# Altium PCB Arduino_uno_PCB.PcbDoc (part 2 of 2)
Units mm, origin at the board's own origin, x right, y up, seen from the top; angles counter-clockwise.
Board outline 68.58 x 53.34 mm, 2 copper layers (Top Layer, Bottom Layer), stack 1.671 mm thick; 106 components, 71 nets, 323 pads, 80 vias.
Unrouted connection lines stored in the file: 2.
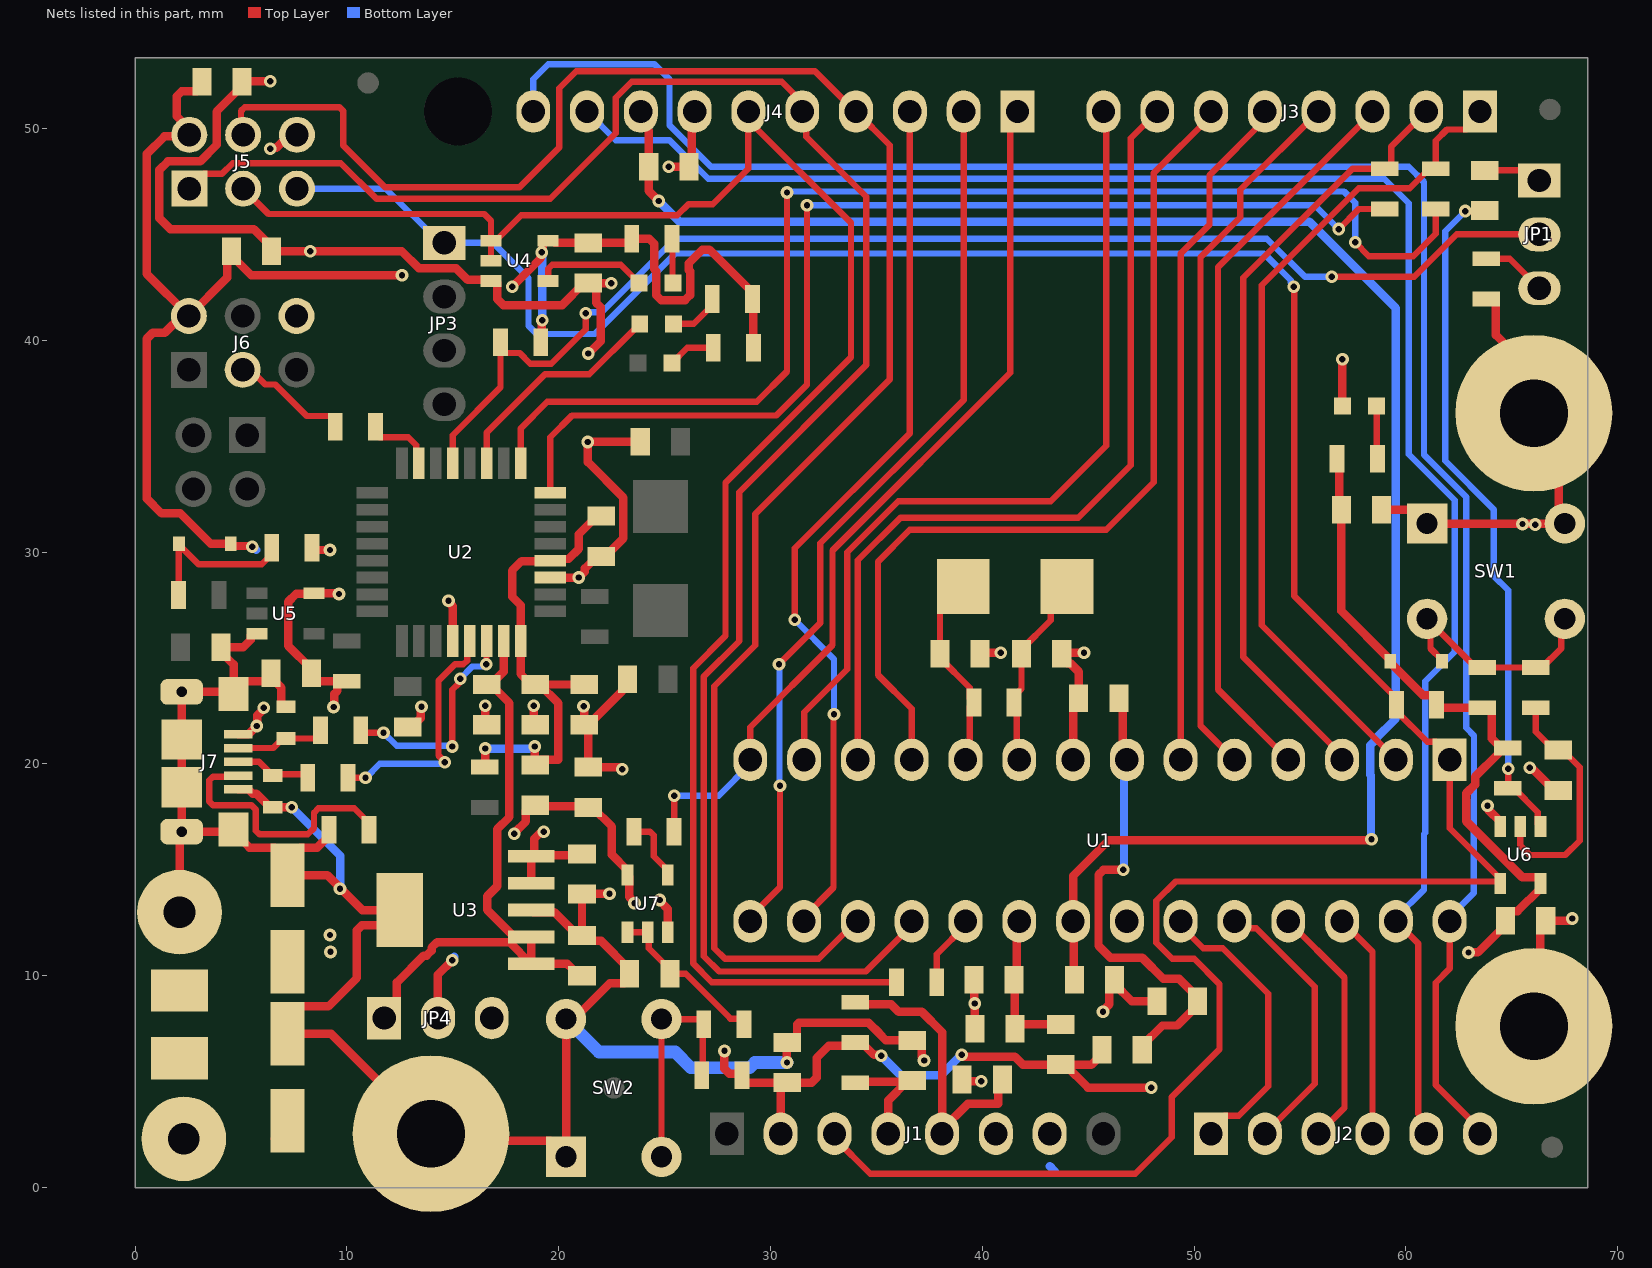
[diagram p2: the nets of this part, all layers, seen from the top]

## Via types
v1: diameter 0.6, hole 0.3, Top Layer to Bottom Layer, tented both sides, 80 vias

## Nets (pads, with @x,y where several pads share a name; then routed paths per layer and width w, separated by ;. In a path a pad name is that pad's centre, name@x,y a point inside that pad or via, vN(x,y) a via of type N, cw(c..) or ccw(c..) an arc to the next point about the centre after c; other vN are vias at no path point) (continued)
16U2_RXD: R11.1 U2.8 | length 52.5
  Top Layer w0.3: U2.8@19.55,32.85 U2.8@19.6,32.8 19.6,35.425 20.625,36.45 30.275,36.45 31.725,37.9 v1(31.725,46.375) ; v1(56.825,45.25) 57.775,46.2 R11.1@59,46.2
  Bottom Layer w0.3: v1(31.725,46.375) 55.7,46.375 v1(56.825,45.25)
16U2_SCLK: J6.3 R5.2 | length 5.7
  Top Layer w0.3: J6.3@5.08,38.608 5.459,38.608 6.151,37.916 6.615,37.916 8.106,36.425 9.25,36.425 9.45,36.225 R5.2@9.45,35.925
16U2_SCLK_R: R5.1 U2.15 | length 3.4
  Top Layer w0.3: R5.1@11.35,35.925 11.35,35.625 11.55,35.425 12.895,35.425 13.275,35.045 13.275,34.325 U2.15@13.4,34.2
16U2_TX_LED: D3.1 U2.11 | length 10.8
  Top Layer w0.3: U2.11@16.6,34.2 16.6,35.65 19.35,38.4 21.45,38.4 23.575,40.525 D3.1@23.825,40.775
16U2_TXD: R10.1 U2.9 | length 58.4
  Top Layer w0.3: U2.9@18.2,34.2 18.2,35.836 19.461,37.097 29.346,37.097 30.775,38.526 v1(30.775,46.975) ; v1(57.6,44.625) 58.25,43.975 60.35,43.975 61.4,45.025 R10.1@61.4,46.2
  Bottom Layer w0.3: v1(30.775,46.975) 30.825,47.025 57.075,47.025 57.6,46.5 v1(57.6,44.625)
16U2PROG_328P_RESETn: JP1.2 R1.1 U2.13 | length 60.1
  Top Layer w0.3: U2.13@15,34.2 15,35.525 17.25,37.775 17.25,39.6 17.45,39.4 18.155,39.4 18.655,38.9 19.645,38.9 21.27,40.525 21.27,41.27 v1(21.275,41.275) ; v1(56.5,43) 60.4,43 62.4,45 JP1.2@66.3,45
  Bottom Layer w0.3: v1(21.275,41.275) 21.331,41.331 22.025,41.331 25.494,44.8 53.431,44.8 55.231,43 v1(56.5,43)
328P_16MHZ_XTAL1: C27.2 R16.1 U1.9 Y1.1 | length 9.3
  Top Layer w0.3: U1.9@41.745,20.193 41.622,20.315 41.622,22.778 R16.1@41.5,22.9 41.5,23.2 41.85,23.55 C27.2@41.85,25.2 41.85,25.4 43.225,26.775 43.225,27.6 Y1.1@44,28.375
328P_16MHZ_XTAL2: C25.2 R16.2 U1.10 Y1.2 | length 9.5
  Top Layer w0.3: Y1.2@39.1,28.375 38,27.275 C25.2@38,25.2 38,25 39.4,23.6 39.4,23.1 R16.2@39.6,22.9 39.402,22.702 39.402,20.391 U1.10@39.205,20.193
328P_AUTO_RESETn: C11.1 R18.1 U6.1 | length 32.4
  Top Layer w0.3: v1(62.8,46.1) 63.7,46.1 C11.1@63.725,46.125 ; v1(64.825,19.775) 64.825,18.875 R18.1@64.8,18.85 65.1,18.85 66.225,17.725 66.225,17.175 U6.1@66.35,17.05
  Bottom Layer w0.3: v1(62.8,46.1) 61.85,45.15 61.85,34.309 64.15,32.009 64.15,28.875 64.825,28.2 v1(64.825,19.775)
328P_BUFFER_RESETn: C32.2 R24.2 U6.2 | length 11.5
  Top Layer w0.3: U6.2@65.4,17.05 65.4,16.15 65.85,15.7 67.525,15.7 68.2,16.375 68.2,19.85 67.4,20.65 C32.2@67.2,20.65 67,20.65 66.125,21.525 R24.2@66.125,22.65
328P_RESETn: J1.3 J5.5 JP3.1 R14.1 U1.1 U6.4 | length 134.1
  Top Layer w0.3: J1.3@33.02,2.54 33.02,2.34 34.71,0.65 47.225,0.65 48.95,2.375 48.95,4.275 51.2,6.525 51.2,9.6 49.999,10.801 48.974,10.801 48.215,11.56 48.215,13.54 49.125,14.45 64.35,14.45 U6.4@64.45,14.35 64.45,14.575 62.065,16.96 U1.1@62.065,20.193 62.065,20.393 61.415,21.043 61.007,21.043 59.55,22.5 R14.1@59.55,22.8 59.55,23.1 54.725,27.925 54.725,42.5 v1(54.7,42.525)
  Bottom Layer w0.3: J5.5@7.64,47.16 11.84,47.16 14.4,44.6 JP3.1@14.6,44.6 16.9,44.6 18.575,42.925 18.575,40.681 18.956,40.3 21.701,40.3 25.501,44.1 53.3,44.1 54.557,42.843 54.557,42.749 54.7,42.606 v1(54.7,42.525)
+3V3: C13.1 C16.2 J1.4 JP4.3 R28.2 U3.4 U3.5 | length 10.7
  Top Layer w0.4: U3.4@18.7,14.37 U3.5@18.7,15.64 18.8,15.74 18.85,15.74 18.85,16.473 19.138,16.762 19.262,16.762 v1(19.3,16.8) ; U3.5@18.805,15.695 21.045,15.695 C13.1@21.1,15.75 ; R28.2@34,4.95 34.05,5 C16.2@36.45,5 ; J1.4@35.56,2.54 35.56,4.11 C16.2@36.45,5 ; C16.2@36.7,5.05 36.65,5 C16.2@36.45,5
+5V: C2.1 C6.2 C12.2 C14.2 J1.5 J8.1 JP4.1 L1.2 R27.1 U2.31 U3.1 U3.2 | length 45.3
  Top Layer w0.4: L1.2@2.1,6.1 L1.2@2.3,5.9 ; C2.1@6.6,2.3 7.2,2.9 C2.1@7.2,3.15 ; JP4.1@11.76,8 12.36,8.6 12.36,9.685 13.625,10.95 13.766,10.95 14,11.184 14,11.325 14.262,11.587 17.672,11.587 U3.1@18.7,10.56 ; C6.2@16.6,23.75 C6.2@16.8,23.75 ; U2.31@17.4,25.8 17.4,24.35 C6.2@16.8,23.75 ; C12.2@21.1,10 20.9,10 20.65,10.25 20.65,10.31 20.4,10.56 U3.1@18.7,10.56 ; R27.1@34,8.75 34.1,8.65 35.7,8.65 36.05,8.3 37.141,8.3 38.1,7.341 J1.5@38.1,2.74 ; J1.5@38.1,2.54 J1.5@38.1,2.74 ; C14.2@40.95,5.1 40.741,4.891 40.741,3.95 39.31,3.95 J1.5@38.1,2.74 ; C6.2@16.8,23.75 17.675,22.875 17.675,17.5 17.1,16.925 17.1,14.225 16.625,13.75 16.625,13.105 17.9,11.83 U3.2@18.7,11.83 U3.1@18.7,10.56
+5V/3V3: C8.2 C15.2 C17.2 C26.1 C28.1 C29.1 C30.1 C34.2 D5.1 D6.1 FB1.1 FB2.1 FB3.1 J1.2 J5.2 J6.2 JP4.2 R1.2 R2.2 R3.2 R4.2 R14.2 R15.2 R17.2 R18.2 R19.2 R20.2 R21.2 R27.2 R28.1 U4.5 U5.5 U6.5 U7.5 | length 154.2
  Top Layer w0.4: C17.2@3.15,52.2 3.15,52 2.9,51.75 2.191,51.75 1.957,51.516 1.957,50.584 2.56,49.981 J5.2@2.56,49.7 2.488,49.628 1.381,49.628 0.55,48.797 0.55,43.138 J6.2@2.54,41.148 ; v1(5.525,30.25) 5.487,30.288 4.599,30.288 4.519,30.368 D5.1@4.519,30.4 3.567,30.4 2.142,31.825 1.25,31.825 0.55,32.525 0.55,40.075 0.833,40.358 1.398,40.358 2.188,41.148 J6.2@2.54,41.148 ; R19.2@8.35,30.2 8.45,30.1 v1(9.2,30.1) ; v1(9.371,22.69) 9.409,22.729 9.409,23.309 9.55,23.45 9.55,23.75 R4.2@9.7,23.9 ; v1(9.625,28.025) 9.6,28.05 U5.5@8.45,28.05 8.425,28.025 7.6,28.025 7.228,27.653 7.228,25.572 8.325,24.475 C30.1@8.325,24.275 8.325,24.15 8.575,23.9 R4.2@9.7,23.9 ; R4.2@10,23.9 R4.2@9.7,23.9 ; v1(12.6,43.075) 5.475,43.075 4.55,44 C8.2@4.55,44.2 4.342,43.992 4.342,42.95 J6.2@2.54,41.148 ; JP4.2@14.3,8 14.3,10.05 v1(14.975,10.725) ; v1(17.8,42.525) 19.162,43.887 19.162,44.112 19.238,44.188 19.238,44.625 19.313,44.7 U4.5@19.5,44.7 19.725,44.7 19.825,44.6 C26.1@21.4,44.6 23.3,44.6 23.45,44.75 R15.2@23.45,44.8 24.266,44.8 24.5,44.566 24.5,43.366 24.6,43.266 24.6,42.134 24.834,41.9 25.966,41.9 26.2,42.134 26.2,43.266 26.149,43.317 26.149,43.649 26.784,44.284 27.116,44.284 29.15,42.25 R2.2@29.15,41.95 29.175,41.925 29.175,39.675 R3.2@29.2,39.65 ; v1(17.9,16.7) 17.9,16.74 18.45,17.29 18.45,17.8 18.7,18.05 FB1.1@18.9,18.05 18.95,18 21.35,18 C29.1@21.4,17.95 21.6,17.95 22.513,17.038 22.513,15.713 23.25,14.975 U7.5@23.25,14.75 23.325,14.675 23.325,13.729 23.575,13.479 v1(23.575,13.425) ; R1.2@19.15,39.9 19.2,39.95 19.2,40.925 v1(19.225,40.95) ; v1(27.825,6.45) 27.825,5.609 28.059,5.375 28.575,5.375 R21.2@28.65,5.3 28.65,5.1 28.8,4.95 C15.2@30.73,4.95 ; J1.2@30.48,2.54 30.48,4.7 C15.2@30.73,4.95 ; v1(35.225,6.225) 35.187,6.263 34.887,6.263 34.3,6.85 33.7,6.85 33.55,6.7 32.759,6.7 32.175,6.116 32.175,5.184 31.941,4.95 C15.2@30.8,4.95 C15.2@30.73,4.95 ; v1(39.025,6.275) 39.125,6.175 41.541,6.175 41.916,5.8 FB3.1@43.7,5.8 FB3.1@43.9,5.8 ; FB2.1@45.65,6.5 45.65,6.3 45.15,5.8 FB3.1@43.9,5.8 ; v1(47.981,4.719) 44.981,4.719 FB3.1@43.9,5.8 ; R17.2@56.75,34.4 56.85,34.3 56.85,32.1 C34.2@56.95,32 56.95,27.219 59.256,24.914 D6.1@59.256,24.85 59.256,24.787 60.792,23.25 61.3,23.25 61.45,23.1 R14.2@61.45,22.8 61.6,22.65 R20.2@63.6,22.65 63.9,22.65 64.05,22.5 64.05,21.2 R18.2@64.5,20.75 ; v1(62.95,11.1) 63.4,11.1 64.7,12.4 C28.1@64.7,12.6 64.7,12.8 64.95,13.05 65.275,13.05 66.35,14.125 U6.5@66.35,14.35 66.35,14.575 66.275,14.65 65.491,14.65 62.85,17.291 62.85,18.612 63.265,19.027 63.265,19.392 64.35,20.477 64.35,20.6 64.425,20.675 64.548,20.675 64.623,20.75 R18.2@64.8,20.75
  Bottom Layer w0.4: v1(5.525,30.25) 5.579,30.25 v1@5.729,30.1 ; v1(9.2,30.1) v1@9.25,30.1 ; v1(14.975,10.725) 14.975,10.779 15.075,10.879 v1@15.075,10.9 ; v1@17.8,42.5 v1(17.8,42.525) ; v1(19.2,44.15) 19.213,44.137 19.213,40.962 v1(19.225,40.95) ; v1(23.575,13.425) 23.575,13.4 v1@23.625,13.35 ; v1(35.225,6.225) 36.15,5.3 38.05,5.3 v1(39.025,6.275)
+5V/3V3_16U2: C3.2 C4.2 C5.2 FB1.2 R26.2 U2.4 U2.32 | length 23.2
  Top Layer w0.4: R26.2@16.5,19.85 16.525,19.875 v1(16.525,20.725) ; v1(18.875,20.825) 18.875,19.975 FB1.2@18.9,19.95 19.15,20.2 19.975,20.2 19.975,22.875 C4.2@19.1,23.75 ; C3.2@21.2,23.75 C4.2@19.1,23.75 ; C5.2@22,31.7 21.8,31.7 20.95,30.85 20.95,30.159 20.466,29.675 19.675,29.675 U2.4@19.6,29.6 19.575,29.575 18.25,29.575 17.8,29.125 17.8,27.9 18.2,27.5 U2.32@18.2,25.8 18.2,24.25 18.7,23.75 C4.2@18.9,23.75 C4.2@19.1,23.75
  Bottom Layer w0.4: v1(16.525,20.725) 18.721,20.725 18.821,20.825 v1(18.875,20.825)
+5V/3V3_328P_AVCC: C22.2 C23.2 FB3.2 U1.20 | length 7.4
  Top Layer w0.4: U1.20@41.745,12.573 41.622,12.451 41.622,9.922 C23.2@41.5,9.8 41.525,9.775 41.525,7.525 C22.2@41.55,7.5 41.75,7.7 FB3.2@43.7,7.7
+5V/3V3_328P_VCC: C19.2 C20.2 FB2.2 U1.7 | length 22.6
  Top Layer w0.4: C20.2@46.45,23.1 46.637,22.913 46.637,20.381 U1.7@46.825,20.193 ; v1(46.65,15) 45.719,15 45.485,14.766 45.485,11.415 46.05,10.85 47.55,10.85 48.55,9.85 49.3,9.85 50.15,9 C19.2@50.15,8.8 50.15,8.6 49.2,7.65 48.5,7.65 47.55,6.7 FB2.2@47.55,6.5
  Bottom Layer w0.4: v1(46.65,15) 46.688,15.038 46.688,20.056 U1.7@46.825,20.193
+5V_USB: C1.1 J7.1 L1.1 | length 2.4
  Top Layer w0.4: L1.1@2.1,9.3 L1.1@2.45,9.3 ; J7.1@4.875,21.4 5.35,21.4 v1(5.737,21.788) 5.776,21.826 5.776,22.296 6.075,22.596 v1(6.075,22.65) ; v1@9.171,11.125 v1(9.225,11.125)
  other v1: 9.2,11.925
+AREF: C21.2 C24.2 J4.8 U1.21 | length 86.8
  Top Layer w0.4: J4.8@23.876,50.8 23.876,50.275 24.25,49.901 C21.2@24.25,48.2 24.25,47.05 v1(24.725,46.575) ; C24.2@44.35,9.8 44.317,9.833 44.317,12.541 U1.21@44.285,12.573 44.285,14.71 45.975,16.4 58.325,16.4 v1(58.375,16.45)
  Bottom Layer w0.4: v1(24.725,46.575) 25.702,45.598 55.442,45.598 59.525,41.515 59.525,34.718 59.525,22.147 58.522,21.144 58.522,21.087 58.325,20.89 58.325,19.496 58.35,19.471 58.35,16.475 v1(58.375,16.45)
AD0: J2.1 U1.23 | length 13.8
  Top Layer w0.3: U1.23@49.365,12.573 49.365,12.373 50.437,11.301 51.35,11.301 53.5,9.152 53.5,4.783 52.107,3.39 51.45,3.39 50.8,2.74 J2.1@50.8,2.54
AD1: J2.2 U1.24 | length 13
  Top Layer w0.3: U1.24@51.905,12.573 52.24,12.238 52.937,12.238 55.7,9.475 55.7,4.9 J2.2@53.34,2.54
AD2: J2.3 U1.25 | length 11.6
  Top Layer w0.3: U1.25@54.445,12.573 57.1,9.918 57.1,3.76 J2.3@55.88,2.54
AD3: J2.4 U1.26 | length 10.6
  Top Layer w0.3: U1.26@56.985,12.573 58.42,11.138 J2.4@58.42,2.54
AD4/SDA: J2.5 J4.9 U1.27 | length 87.2
  Top Layer w0.3: U1.27@59.525,12.573 60.575,11.523 60.575,3.477 60.96,3.092 J2.5@60.96,2.54
  Bottom Layer w0.3: J4.9@21.336,50.8 22.686,49.45 25.233,49.45 27.058,47.625 58.975,47.625 60.125,46.475 60.125,34.62 62.3,32.445 62.3,25.289 60.915,23.904 60.915,16.748 60.85,16.683 60.85,14.064 59.525,12.739 U1.27@59.525,12.573
AD5/SCL: J2.6 J4.10 U1.28 | length 95
  Top Layer w0.3: U1.28@62.065,12.573 62.065,10.339 61.4,9.674 61.4,4.84 63.5,2.74 J2.6@63.5,2.54
  Bottom Layer w0.3: J4.10@18.796,50.8 18.796,52.321 19.5,53.025 24.524,53.025 25.232,52.317 25.232,50.158 27.19,48.2 60.124,48.2 60.85,47.474 60.85,34.602 62.85,32.602 62.85,21.703 63.215,21.338 63.215,18.309 63.2,18.294 63.2,13.908 62.065,12.773 U1.28@62.065,12.573
BUTTON_RESETn: D6.2 R20.1 R24.1 SW1.3 SW1.4 | length 11.5
  Top Layer w0.3: SW1.3@61.3,26.85 SW1.3@61,26.85 SW1.3@61.158,26.692 ; D6.2@61.694,24.85 61.694,24.914 61.158,25.45 SW1.3@61.158,26.692 ; SW1.4@67.5,26.85 67.325,26.675 67.325,25.45 66.425,24.55 R24.1@66.125,24.55 R20.1@63.6,24.55 63.3,24.55 SW1.3@61.158,26.692
CON_USB_N: J7.2 R6.1 Z2.2 | length 4.3
  Top Layer w0.3: J7.2@4.875,20.75 6.525,20.75 6.975,21.2 Z2.2@7.125,21.2 8.55,21.2 8.75,21.4 R6.1@8.75,21.6
CON_USB_P: J7.3 R7.1 Z1.2 | length 3.8
  Top Layer w0.3: J7.3@4.875,20.1 5.85,20.1 Z1.2@6.5,19.45 6.568,19.518 7.95,19.518 8.15,19.318 R7.1@8.15,19.2
GND: C1.2 C2.2 C3.1 C4.1 C5.1 C6.1 C7.1 C8.1 C9.1 C10.1 C12.1 C13.2 C14.1 C15.1 C16.1 C17.1 C19.1 C20.1 C21.1 C22.1 C23.1 C24.1 C25.1 C26.2 C27.1 C28.2 C29.2 C30.2 C31.1 C32.1 C33.1 C34.1 D1.1 J1.6 J1.7 J4.7 J5.6 J6.6 J7.5 J7.6 J7.7 J7.8 J7.9 J7.10 J7.11 J9.1 MH1.1 MH2.1 MH3.1 R8.1 R12.1 SW1.1 SW1.2 SW2.1 SW2.2 U1.8 U1.22 U2.3 U2.28 U3.3 U3.6 U4.3 U5.3 U6.3 U7.3 Z1.1 Z2.1 | length 229.4
  Top Layer w0.4: J9.1@2.1,13 2.1,16.7 J7.9@2.2,16.8 ; J7.5@4.875,18.8 5.35,18.8 5.549,18.6 5.722,18.6 6.25,18.072 6.25,18.05 6.35,17.95 Z1.1@6.5,17.95 v1(7.4,17.95) ; U5.3@5.75,26.15 5.525,26.15 5.45,26.075 5.45,25.85 5.1,25.5 C31.1@4.05,25.5 4.05,25.3 4.65,24.7 J7.6@4.65,23.4 ; v1(6.375,49.05) 6.413,49.088 6.676,49.088 7.288,49.7 J5.6@7.64,49.7 ; v1(6.375,52.225) 5.075,52.225 C17.1@5.05,52.2 5.05,52 3.85,50.8 3.85,49.222 3.078,48.45 1.55,48.45 1.15,48.05 1.15,45.759 1.659,45.25 5.6,45.25 6.45,44.4 C8.1@6.45,44.2 v1(8.275,44.2) 12.6,44.2 13.4,43.4 15.157,43.4 15.7,42.857 16.743,42.857 U4.3@16.8,42.8 17.025,42.8 17.1,42.725 17.1,41.95 17.384,41.666 20.166,41.666 21.2,42.7 C26.2@21.4,42.7 C26.2@21.525,42.7 ; C30.2@6.425,24.275 C30.2@6.425,24.15 ; Z2.1@7.125,22.7 7,22.7 6.9,22.8 6.9,23.6 6.425,24.075 C30.2@6.425,24.15 ; R8.1@9.15,16.9 9.15,16.6 8.6,16.05 7.8,16.05 C1.2@7.2,15.45 ; C7.1@12.875,21.75 13.075,21.75 13.485,22.16 13.485,22.662 v1(13.523,22.7) ; v1(14.8,27.7) 14.8,27.646 15,27.446 U2.28@15,25.8 ; v1(16.525,22.75) 16.525,21.925 C6.1@16.6,21.85 ; U3.3@18.7,13.1 18.8,13 19.8,13 20.9,11.9 C12.1@21.1,11.9 ; v1(18.825,22.75) 18.825,21.925 C4.1@18.9,21.85 ; U2.3@19.6,28.8 v1(20.95,28.8) 21.233,29.083 21.233,29.233 21.8,29.8 C5.1@22,29.8 22.2,29.8 23.05,30.65 23.05,32.575 21.375,34.25 v1(21.375,35.2) C9.1@23.85,35.2 ; v1(21.175,22.725) 21.175,22.7 21.2,22.675 C3.1@21.2,21.85 ; v1(21.4,39.375) 21.975,39.95 21.975,41.565 21.775,41.765 21.775,42.45 C26.2@21.525,42.7 ; v1(22.4,13.875) 22.388,13.862 21.113,13.862 C13.2@21.1,13.85 C12.1@21.1,11.9 ; v1(22.475,42.7) C26.2@21.525,42.7 ; v1(23,19.75) 22.946,19.75 22.846,19.85 C29.2@21.4,19.85 21.4,21.65 C3.1@21.2,21.85 ; C10.1@23.25,24 23,23.75 23,23.45 21.4,21.85 C3.1@21.2,21.85 ; v1(24.775,13.575) 24.775,13.525 25.15,13.15 U7.3@25.15,12.05 ; v1(25.2,48.2) C21.1@26.15,48.2 26.283,48.333 26.283,50.667 J4.7@26.416,50.8 ; v1(30.775,5.9) 30.775,6.825 C15.1@30.8,6.85 31,6.85 31.25,7.1 31.25,7.7 31.325,7.775 34.641,7.775 35.133,7.283 35.133,7.267 35.45,6.95 C16.1@36.7,6.95 36.9,6.95 37.15,6.7 37.15,6.154 37.25,6.054 v1(37.25,6) ; C14.1@39.05,5.1 39.125,5.025 v1(39.95,5.025) ; C23.1@39.6,9.8 39.618,9.782 39.618,8.709 39.643,8.684 39.643,7.507 C22.1@39.65,7.5 ; C25.1@39.9,25.2 39.95,25.25 v1(40.875,25.25) ; U1.8@44.285,20.193 44.285,22.635 44.55,22.9 C20.1@44.55,23.1 44.55,24.35 44.15,24.75 44,24.75 43.75,25 C27.1@43.75,25.2 43.8,25.25 v1(44.8,25.25) ; v1(45.7,8.3) 45.7,8.354 46,8.654 46,9.55 C24.1@46.25,9.8 46.25,9.6 47.05,8.8 C19.1@48.25,8.8 ; D1.1@57,36.9 v1(57,39.1) ; C34.1@58.85,32.2 C34.1@58.85,32 60.35,32 SW1.1@61,31.35 SW1.2@67.5,31.35 67.213,31.637 67.213,35.387 MH3.1@66.04,36.56 66.04,38.454 64.25,40.244 64.25,41.8 64.1,41.95 R12.1@63.8,41.95 ; v1(63.85,18.025) 63.888,17.987 63.888,17.837 64.45,17.275 U6.3@64.45,17.05 ; v1(65.85,19.825) 65.888,19.787 65.963,19.787 67,18.75 C32.1@67.2,18.75 ; MH2.1@66.04,7.62 66.35,7.93 66.35,12.35 C28.2@66.6,12.6 67.696,12.6 67.796,12.7 v1(67.85,12.7) ; J7.9@2.2,16.8 4.65,16.8 5.399,16.05 6.6,16.05 C1.2@7.2,15.45 ; J7.9@2.2,16.8 J7.11@2.2,18.9 J7.10@2.2,21.15 J7.8@2.2,23.4 4.549,23.4 J7.6@4.65,23.3 J7.6@4.65,23.4 ; J7.6@4.65,23.4 5.15,23.9 6.175,23.9 C30.2@6.425,24.15 ; C1.2@7.2,15.45 C1.2@7.2,14.75 9.075,14.75 10.725,13.1 U3.6@12.5,13.1 11.784,12.384 10.709,12.384 10.475,12.15 10.475,9.9 9.125,8.55 7.8,8.55 7.2,7.95 C2.2@7.2,7.25 9.26,7.25 MH1.1@13.97,2.54 14.31,2.2 19.6,2.2 SW2.1@20.35,1.45 SW2.2@20.35,7.95 20.716,7.95 22.416,9.65 23.1,9.65 23.35,9.9 C33.1@23.35,10.1 23.35,10.3 22,11.65 21.35,11.65 C12.1@21.1,11.9
  Bottom Layer w0.4: v1(7.4,17.95) 9.675,15.675 v1(9.675,14.1) ; v1(13.523,22.7) v1@13.548,22.725 ; v1@16.5,22.725 v1(16.525,22.75) ; v1(18.825,22.75) v1@18.837,22.738 ; v1@21.162,22.738 v1(21.175,22.725) ; v1@21.375,39.35 v1(21.4,39.375) ; v1@23,19.696 v1(23,19.75) ; v1@25.135,48.135 v1@25.135,48.19 ; 43.18,1.009 43.414,0.775 ; U1.8@44.285,20.193 U1.8@44.425,20.053 ; U1.22@46.825,12.573 U1.22@46.825,12.773 ; MH2.1@65.6,7.18 MH2.1@66.04,7.62
  Bottom Layer w0.6: SW2.2@20.35,7.95 21.9,6.4 25.5,6.4 26.25,5.65 29.009,5.65 29.259,5.9 v1(30.775,5.9)
  other v1: 39.637,8.691 66.1,31.3 65.5,31.325
IO0: J3.1 R10.2 U1.2 | length 39.6
  Top Layer w0.3: U1.2@59.525,20.193 59.525,20.225 53.2,26.55 53.2,42.6 57.775,47.175 60.175,47.175 61.1,48.1 R10.2@61.4,48.1 61.4,49.414 61.936,49.95 62.85,49.95 63.5,50.6 J3.1@63.5,50.8
IO1: J3.2 R11.2 U1.3 | length 37.2
  Top Layer w0.3: U1.3@56.985,20.193 56.985,20.386 52.325,25.046 52.325,42.95 57.475,48.1 59.3,48.1 59.311,48.111 59.311,49.151 J3.2@60.96,50.8
IO2: J3.3 U1.4 | length 35
  Top Layer w0.3: U1.4@54.445,20.193 51.125,23.513 51.125,43.45 58.42,50.745 J3.3@58.42,50.8
IO3: J3.4 U1.5 | length 33.6
  Top Layer w0.3: U1.5@51.905,20.193 50.3,21.798 50.3,43.925 52.184,45.809 52.184,47.104 J3.4@55.88,50.8
IO4: J3.5 U1.6 | length 32.3
  Top Layer w0.3: U1.6@49.365,20.193 49.365,44.097 50.725,45.457 50.725,47.8 53.34,50.415 J3.5@53.34,50.8
IO5: J3.6 U1.11 | length 43.2
  Top Layer w0.3: U1.11@36.665,20.193 36.665,22.61 35.075,24.2 35.075,29.55 36.575,31.05 45.85,31.05 48.1,33.3 48.1,47.9 50.8,50.6 J3.6@50.8,50.8
IO6: J3.7 U1.12 | length 41.4
  Top Layer w0.3: U1.12@34.125,20.193 34.125,29.616 36.134,31.625 44.525,31.625 47,34.1 47,49.54 J3.7@48.26,50.8
IO7: J3.8 U1.13 | length 40.8
  Top Layer w0.3: U1.13@31.585,20.193 31.585,22.435 33.625,24.475 33.625,29.993 36.032,32.4 43.225,32.4 45.85,35.025 45.85,50.67 J3.8@45.72,50.8
IO8: J4.1 R22.2 U1.14 | length 41.9
  Top Layer w0.3: R22.2@25.45,16.8 v1(25.45,18.5) ; U1.14@29.045,20.193 29.045,21.735 32.925,25.615 32.925,30.075 41.314,38.464 41.314,50.458 J4.1@41.656,50.8
  Bottom Layer w0.3: v1(25.45,18.5) 27.552,18.5 29.045,19.993 U1.14@29.045,20.193
IO9: J4.2 U1.15 | length 42.4
  Top Layer w0.3: U1.15@29.045,12.573 29.045,12.773 30.45,14.178 v1(30.45,18.975) ; v1(30.4,24.7) 32.35,26.65 32.35,30.418 39.116,37.184 J4.2@39.116,50.8
  Bottom Layer w0.3: v1(30.4,24.7) 30.425,24.675 30.425,19 v1(30.45,18.975)
MISO: J4.5 J5.1 U1.18 | length 89.8
  Top Layer w0.3: J5.1@2.56,47.16 3.26,47.86 4.103,47.86 4.603,48.36 9.715,48.36 11.4,46.675 19.6,46.675 22.7,49.775 22.7,51.45 23.45,52.2 30.525,52.2 31.496,51.229 J4.5@31.496,50.8 31.682,50.614 31.682,49.618 34.525,46.775 34.525,38.833 28.525,32.833 28.525,25.8 26.85,24.125 26.85,10.925 27.575,10.2 34.492,10.2 36.665,12.373 U1.18@36.665,12.573
MOSI: J4.4 J5.4 U1.17 | length 88.8
  Top Layer w0.3: J5.4@5.1,49.7 5,49.8 5,50.824 5.176,51 9.649,51 9.825,50.824 9.825,49.2 11.8,47.225 18.15,47.225 20.025,49.1 20.025,51.9 20.825,52.7 32.1,52.7 34,50.8 J4.4@34.036,50.8 35.625,49.211 35.625,38.152 29.275,31.802 29.275,25.6 27.35,23.675 27.35,11.3 27.85,10.8 32.282,10.8 34.055,12.573 U1.17@34.125,12.573
NetC11_2: C11.2 JP1.1 | length 2.8
  Top Layer w0.3: C11.2@63.725,48.025 65.815,48.025 JP1.1@66.3,47.54
NetD1_2: D1.2 R17.1 | length 2.5
  Top Layer w0.3: D1.2@58.6,36.9 58.625,36.875 58.625,34.425 R17.1@58.65,34.4
NetD2_1: D2.1 U4.4 | length 5.3
  Top Layer w0.3: U4.4@19.5,42.8 19.5,43.375 19.7,43.575 22.925,43.575 D2.1@23.8,42.7
NetD2_2: D2.2 R15.1 | length 2.1
  Top Layer w0.3: R15.1@25.35,44.8 25.375,44.775 25.375,42.725 D2.2@25.4,42.7
NetD3_2: D3.2 R2.1 | length 2.5
  Top Layer w0.3: D3.2@25.425,40.775 26.375,40.775 27.25,41.65 R2.1@27.25,41.95
NetD4_2: D4.2 R3.1 | length 2.3
  Top Layer w0.3: D4.2@25.35,38.925 26.075,39.65 R3.1@27.3,39.65
NetD5_2: D5.2 R19.1 R23.1 | length 7.7
  Top Layer w0.3: R23.1@2.057,27.975 2.069,27.987 2.069,30.388 D5.2@2.081,30.4 2.081,30.337 2.992,29.425 5.975,29.425 6.45,29.9 R19.1@6.45,30.2
NetJ7_4: J7.4 R8.2 | length 12.8
  Top Layer w0.3: J7.4@4.875,19.45 4.825,19.4 3.675,19.4 3.5,19.224 3.5,18.226 3.675,18.05 5.494,18.05 5.7,17.845 5.7,16.851 5.875,16.675 8.15,16.675 8.45,16.975 8.45,17.695 8.655,17.9 10.35,17.9 11.05,17.2 R8.2@11.05,16.9
NetJP1_3: JP1.3 R12.2 | length 3.1
  Top Layer w0.3: R12.2@63.8,43.85 64.9,43.85 66.29,42.46 JP1.3@66.3,42.46
NetR22_1: R22.1 U7.4 | length 3.2
  Top Layer w0.3: R22.1@23.55,16.8 24.311,16.8 24.486,16.624 24.486,15.639 25.15,14.975 U7.4@25.15,14.75
SCK: J4.6 J5.3 R13.2 U4.1 U4.2 | length 85.4
  Top Layer w0.3: J5.3@5.1,47.16 6.3,45.96 16.49,45.96 16.8,45.65 U4.1@16.8,44.7 ; U4.2@16.8,43.75 U4.1@16.8,44.7 ; J4.6@28.956,50.8 J4.6@28.956,50.394 ; R13.2@35.95,9.7 27.225,9.7 26.35,10.575 26.35,24.525 27.875,26.05 27.875,33.278 33.8,39.203 33.8,45.55 J4.6@28.956,50.394 ; U4.1@16.8,44.7 17.025,44.7 18.225,45.9 25.6,45.9 26.125,46.425 27.275,46.425 28.956,48.106 J4.6@28.956,50.394
SCK_R: R13.1 U1.19 | length 3.4
  Top Layer w0.3: R13.1@37.85,9.7 37.85,11.018 39.205,12.373 U1.19@39.205,12.573
SS: J4.3 U1.16 | length 41.8
  Top Layer w0.3: v1(31.15,26.8) 31.15,30.175 36.576,35.601 J4.3@36.576,50.8 ; U1.16@31.585,12.573 31.585,12.773 32.975,14.163 32.975,22.325 v1(33,22.35)
  Bottom Layer w0.3: v1(31.15,26.8) 33,24.95 v1(33,22.35)
USB_N: R6.2 U2.30 | length 10.6
  Top Layer w0.3: R6.2@10.65,21.6 10.775,21.475 v1(11.725,21.475) ; v1(14.975,20.825) 14.975,21.753 14.975,23.495 15.293,23.812 15.293,23.968 v1(15.35,24.025) ; v1(16.575,24.7) 16.588,24.713 U2.30@16.588,25.812
  Bottom Layer w0.3: v1(11.725,21.475) 12.35,20.85 14.95,20.85 v1(14.975,20.825) ; v1(15.35,24.025) 15.925,24.6 16.475,24.6 v1(16.575,24.7)
USB_P: R7.2 U2.29 | length 11.6
  Top Layer w0.3: R7.2@10.025,19.35 R7.2@10.05,19.35 v1(10.875,19.35) ; v1(14.625,20.075) 14.625,20.101 14.325,20.401 14.325,23.919 15.106,24.7 15.499,24.7 15.675,24.876 15.675,25.675 U2.29@15.8,25.8
  Bottom Layer w0.3: v1(10.875,19.35) 10.9,19.35 11.55,20 14.469,20 14.544,20.075 v1(14.625,20.075)
USER_BUTTON: R21.1 R25.1 SW2.3 SW2.4 | length 11.1
  Top Layer w0.3: SW2.3@24.85,1.45 SW2.4@24.85,7.95 26.65,7.95 26.85,7.75 R25.1@26.85,7.7 26.8,7.65 26.8,5.35 R21.1@26.75,5.3
USER_BUTTON_BUF: C33.2 R25.2 U7.1 U7.2 | length 7.9
  Top Layer w0.3: U7.1@23.25,12.05 U7.2@24.2,12.05 24.256,11.994 24.256,11.294 25.25,10.3 C33.2@25.25,10.1 26,10.1 28.1,8 28.1,7.976 28.55,7.976 28.75,7.776 R25.2@28.75,7.7
pads on no net: FID1.1 FID2.1 FID3.1 FID4.1 J1.1 J1.8 MH4.1 U2.5 U2.6 U2.7 U2.12 U2.14 U2.22 U2.23 U2.25 U2.26

## Polygon pours and split planes (outlines as drawn)
GND on Bottom Layer "GND_L02_P010" (solid, pour order 10): 0.5,53 13.2,53 25.6,53 25.6,47.2 24.4,47.2 24.3,47.1 24.3,45.7 24.3,44.4 22.2,42.3 19.9,42.3 19.9,44.5 19.6,44.8 17.6,44.8 16.4,46 13.8,46 11.4,48.4 0.5,48.4
GND on Bottom Layer "GND_L02_P011" (solid, pour order 11): 11.6,48.1 11.6,40.9 12.3,40.2 12.3,35.5 13.3,35.5 13.3,39.7 19.8,39.7 20.1,40 22.2,40 25.8,43.6 58.5,43.6 58.5,22.9 58.5,13.8 23.8,13.8 23.8,7.1 19.7,7.1 18.8,8 18.4,8 18.4,11.9 20.3,13.8 20.3,20.7 19.4,21.6 12.1,21.6 10.5,23.2 10.5,23.9 4.7,23.9 4.5,23.7 4.5,16 8,12.5 8,9.4 0.4,9.4 0.4,31.6 0.4,38.1 0.4,42.3 0.4,48.1
+3V3 on Bottom Layer "+3V3_L02_P001" (solid, remove dead copper, pour order 1): 15.6,7.5 15.6,9.1 16.3,9.8 16.3,11.2 18.7,13.6 18.7,22.3 20,22.3 20,13.8 18.2,12 18.2,7.7 18.8,7.7 19.9,6.6 27.1,6.6 29,4.7 36.6,4.7 36.6,1.4 36.3,1.1 34.9,1.1 26.2,1.1 22.9,4.4 18.7,4.4
GND on Bottom Layer "GND_L02_P012" (solid, pour order 12): 28,10 29.6,8.4 29.5,8.3 29.5,6 30.5,5 34.8,5 34.8,6.7 35.5,6.7 35.5,6.6 36.5,5.6 37.8,5.6 39,6.8 39.5,6.8 39.5,0.3 68.3,0.3 68.3,11.4 64.1,11.4 64.1,11.2 62.3,9.4 62.3,4 62.2,4.1 47,4.1 47,6.2 47.4,6.6 48.8,6.6 52.4,10.2 60.7,10.2 60.7,11.4 58.4,13.7 48.1,13.7 45.4,13.7 28,13.7
+5V on Bottom Layer "+5V_L02_P000" (solid, pour order 0): 0.3,0.3 0.3,9.1 12.6,9 12.6,7 15.8,7 18.4,4.2 18.4,4.1 24.3,4.1 26.4,2 26.4,0.9 36.6,0.9 36.6,4.7 39.3,4.7 39.3,0.3
+5V_USB on Bottom Layer "+5V_USB_L02_P002" (solid, pour order 2): 8.1,8.8 8.1,12.1 4.8,15.4 4.8,23.5 6.9,23.5 6.9,17.7 9.2,15.4 9.2,13.8 9.8,13.8 10.6,13 10.6,8.8
+5V/3V3 on Bottom Layer "+5V/3V3_L02_P003" (solid, remove dead copper, pour order 3): 47.5,6 47.5,4.4 62.1,4.4 62.1,9.6 63.7,11.2 63.7,12 63.2,12 60.9,9.7 52.3,9.7 48.6,6
+5V/3V3 on Bottom Layer "+5V/3V3_L02_P004" (solid, remove dead copper, pour order 4): 16.2,5.2 16.2,10.789 16.2,11.5 18.6,13.9 18.6,25.3 6.5,25.3 6.5,17.3 8.8,15 8.8,5.2
+5V/3V3 on Bottom Layer "+5V/3V3_L02_P005" (solid, remove dead copper, pour order 5): 5.1,30.7 10.3,30.7 10.3,27.1 5.1,27.1
+5V/3V3 on Bottom Layer "+5V/3V3_L02_P007" (solid, pour order 7): 11.8,45.8 18.2,45.8 18.2,39.8 17,39.8 11.8,39.8
+5V/3V3 on Bottom Layer "+5V/3V3_L02_P008" (solid, pour order 8): 22.7,14.5 24.4,14.5 24.5,14.4 24.4,14.3 24.4,12.2 27.9,12.2 30.909,9.191 30.288,5.909 27.424,5.576 26.1,6.9 26.1,9.3 25.7,9.7 22.7,9.7
GND on Bottom Layer "GND_L02_P015" (solid, pour order 15): 68.2,11.7 68.2,40.5 68.4,40.7 62.1,40.7 62.1,34.5 64.6,32 64.6,28.9 65.2,28.3 65.2,19.5 63.5,19.5 63.5,12.2 64,12.2 64,11.9 64.2,11.7
GND on Bottom Layer "GND_L02_P016" (solid, pour order 16): 25.6,50.2 27.3,48.5 62.4,48.5 62.4,40.9 68.3,40.9 68.3,53 25.6,53
GND on Top Layer "GND_L01_P019" (solid, pour order 19): 59.8,30.5 59.8,42.7 64.6,42.7 65,42.3 65,41 68.2,41 68.2,29.6 59.8,29.6
+5V on Top Layer "+5V_L01_P018" (solid, pour order 18): 0.2,7.7 6.2,7.7 6.2,5 8.6,5 9.6,4 9.6,0.3 0.1,0.3

## Silkscreen, mask and mechanical layers (free items; w line width, h text height)
Board Outline:
  the board outline again, w0.3

## Text inside footprints (layer, text, board x,y; h text height)
J1: Top Overlay "1" at 28.448,0.254 h1 r90
J2: Top Overlay "1" at 51.308,0.254 h1 r90
J3: Top Overlay "1" at 62.992,53.086 h1 r270
J4: Top Overlay "1" at 41.148,53.086 h1 r270
J5: Top Overlay "1" at 3.068,45.001 h1.02 r90
J6: Top Overlay "1" at 0.529,37.979 h1.02
JP1: Top Overlay "1" at 67.954,47.229 h1
JP2: Top Overlay "1" at 6.979,35.279 h1.02
JP3: Top Overlay "1" at 12.314,44.092 h1
JP4: Top Overlay "1" at 12.268,5.714 h1 r90
SW1: Top Overlay "1" at 61.496,32.954 h1 r90
SW2: Top Overlay "1" at 18.746,1.946 h1 r180